# Altium PCB Lily58.PcbDoc
Units mm, origin at the board's own origin, x right, y up, seen from the top; angles counter-clockwise.
Board outline 142.05 x 105.56 mm, 2 copper layers (Top Layer, Bottom Layer), stack 1.57 mm thick; 61 components, 44 nets, 304 pads, 33 vias.
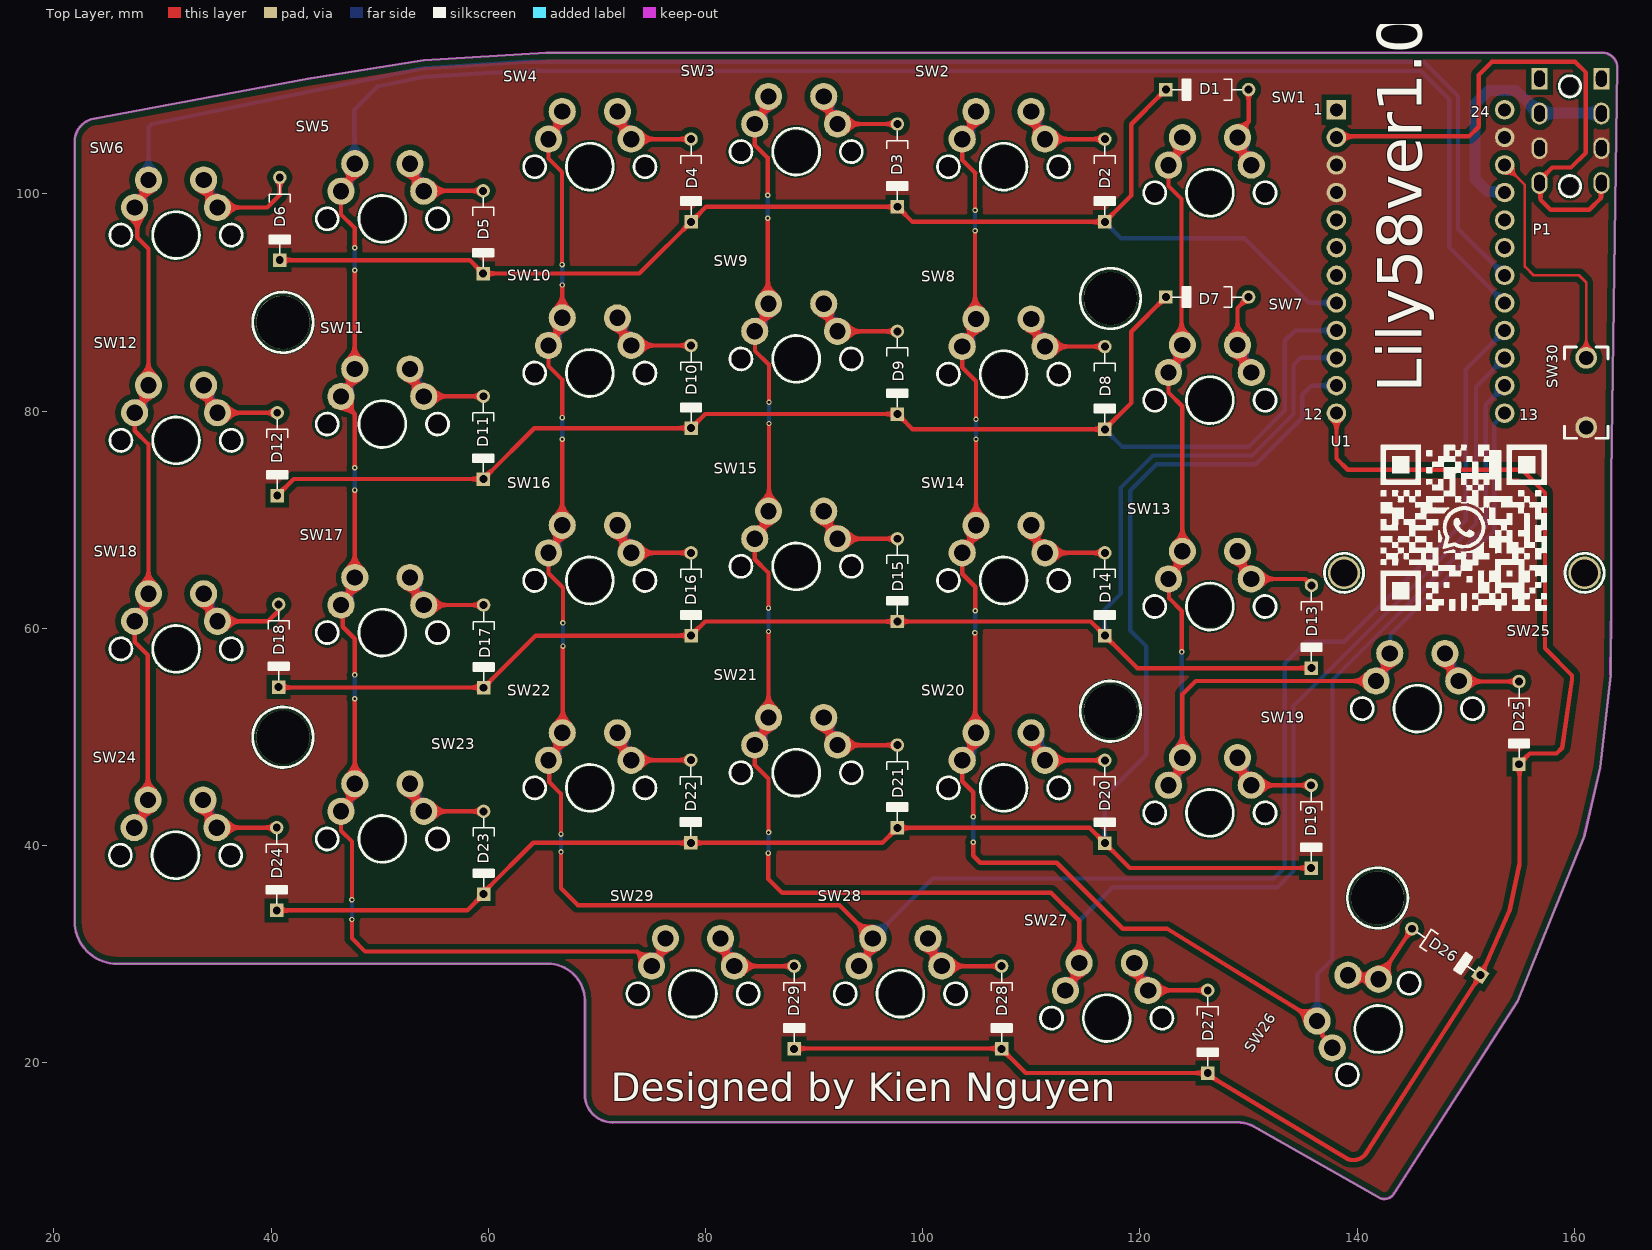
[diagram p0: Top Layer view]
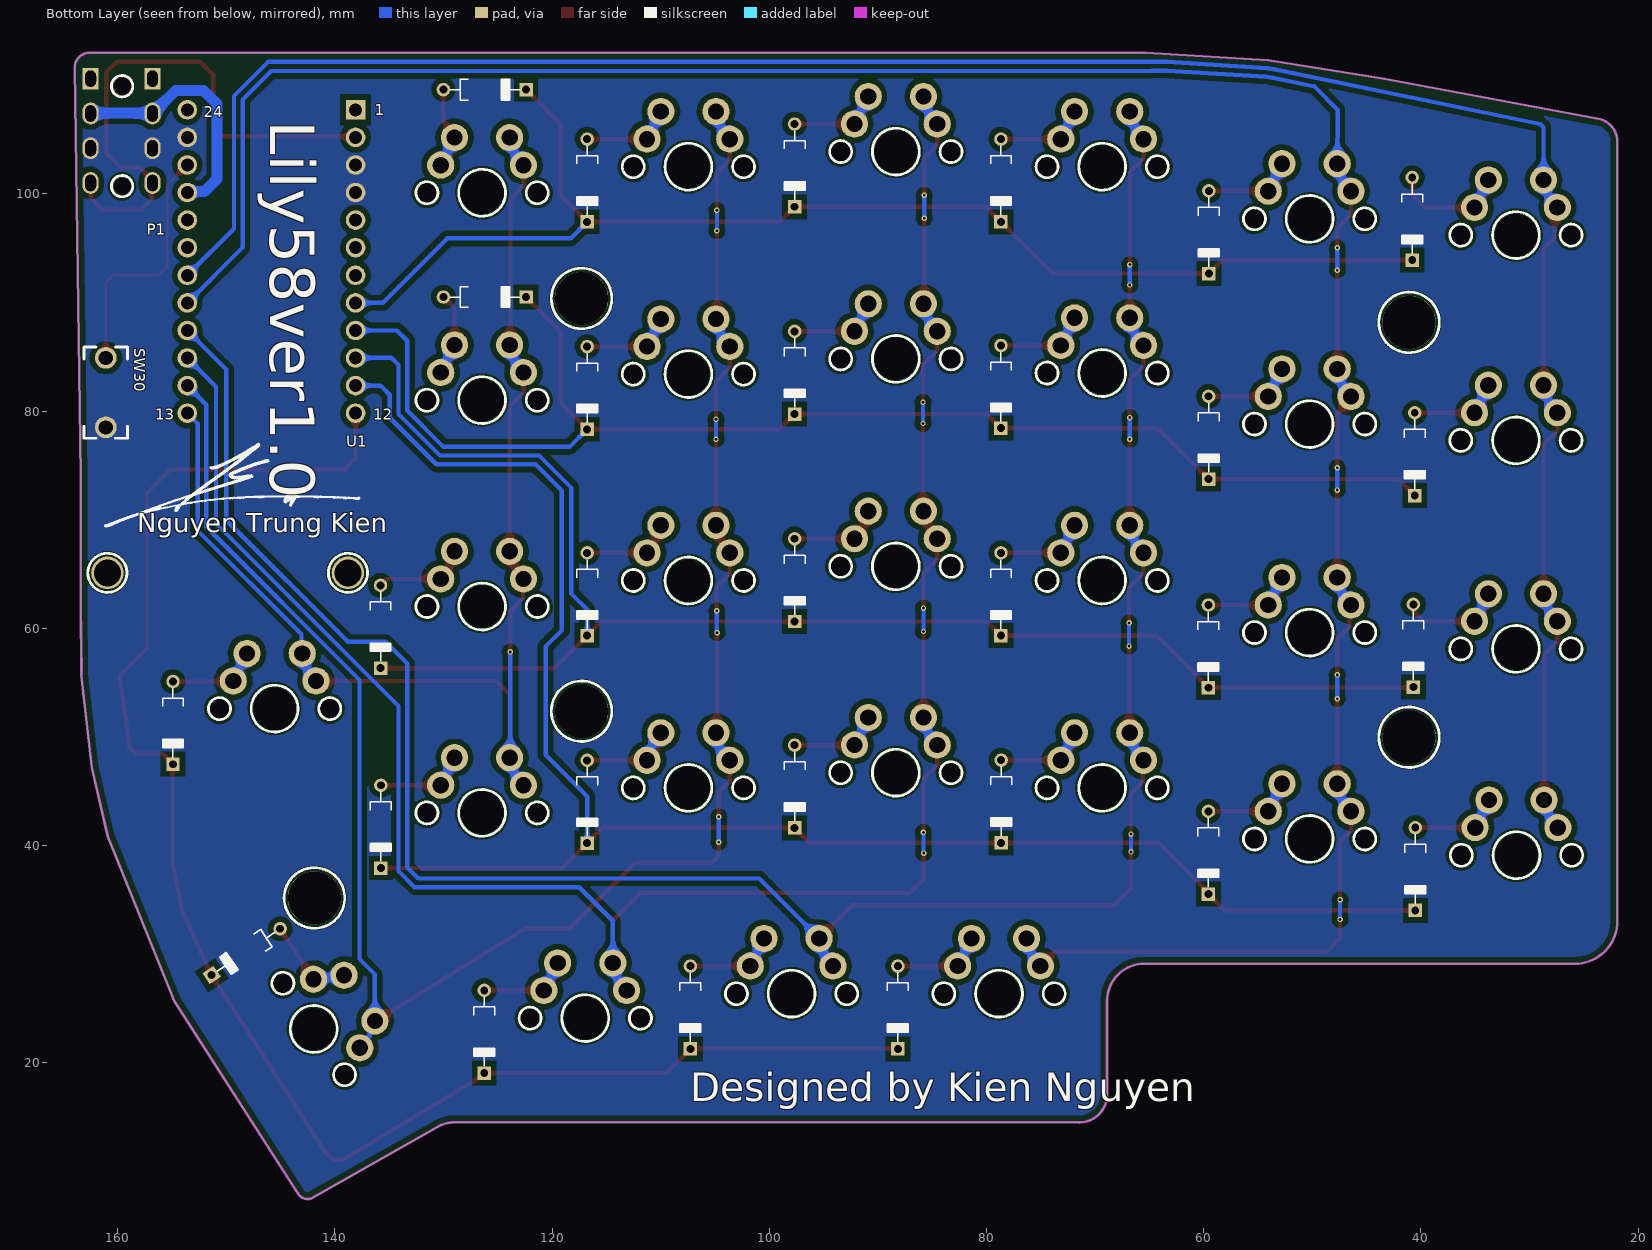
[diagram p1: Bottom Layer view, seen from below]
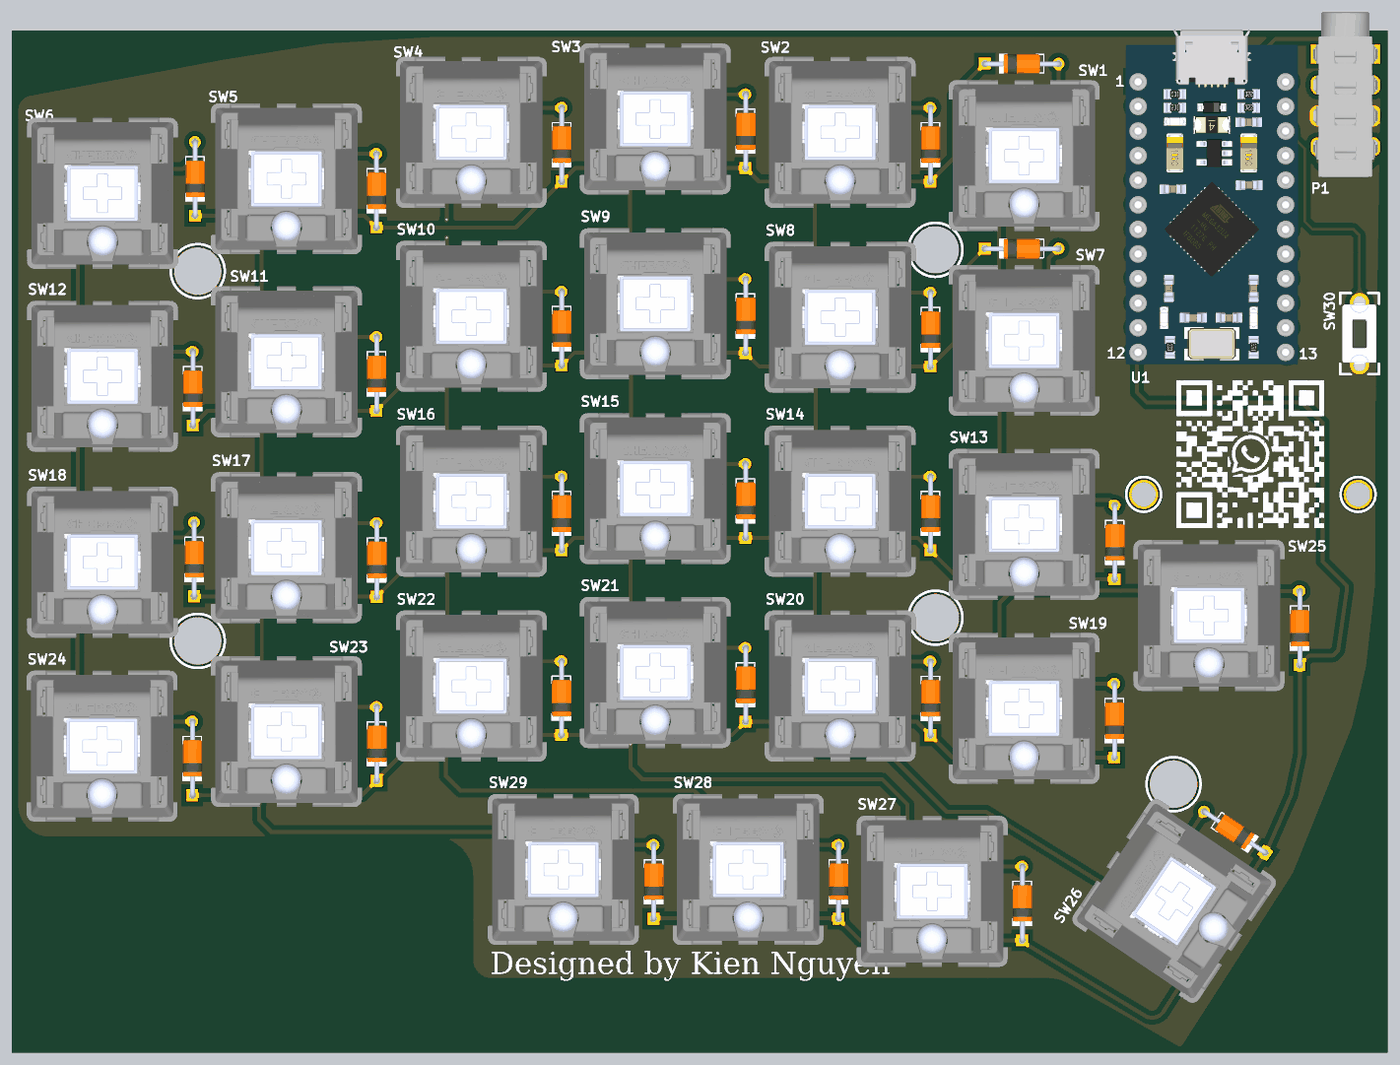
[diagram p2: 3D render of the assembled board from above, using the file's embedded part models]

## Layer stack, top to bottom
Top Solder: solder mask 0.0102, Solder Resist, Dk 3.5
Top Layer: signal copper 0.0356
Dielectric 2: core 0.254, Composite dielectric, Dk 4.3
Dielectric 1: core 0.9906, Composite dielectric, Dk 4.3
Dielectric 3: core 0.254, Composite dielectric, Dk 4.3
Bottom Layer: signal copper 0.0356
Bottom Solder: solder mask 0.0102, Solder Resist, Dk 3.5

## Board outline
25.835,29.101 cw(c25.835,33.021) 21.914,33.021 21.914,104.787 cw(c24.093,104.786) 23.931,106.958 39.45,109.85 43.4,110.6 54.05,112.3 65.35,113.001 162.574,112.999 cw(c162.574,111.607) 163.965,111.607 163.4,74.1 163.4,62.3 163.347,55.7 162.4,47.2 160.95,40.95 154.786,25.678 143.405,7.969 cw(c142.517,8.453) 141.898,7.652 130.771,13.968 ccw(c128.936,11.075) 128.936,14.501 71.446,14.5 cw(c71.446,17.049) 68.897,17.049 68.9,25.686 ccw(c65.474,25.686) 65.474,29.111

## Design rules (kind name [scope] priority, off if disabled: settings)
Clearance Clearance_poly [InPolygon vs (OnLayer('multi-layer') Or IsVia or IsPad or OnLayer('Top') or OnLayer('Bot'))] p1: gap=0.508 ignorepadtopadclearanceinfootprint=FALSE except(0: Arc-Hole Track-Hole SMDPad-Hole THPad-Hole Via-Hole Fill-Hole Poly-Hole Region-Hole Text-Hole)
Clearance [All] p2: gap=0.508 ignorepadtopadclearanceinfootprint=FALSE except(0: Arc-Hole Track-Hole SMDPad-Hole THPad-Hole Via-Hole Fill-Hole Poly-Hole Region-Hole Text-Hole; 0.127: Arc-SMDPad Arc-THPad Arc-Via Arc-Text Track-SMDPad Track-THPad Track-Via Track-Text SMDPad-SMDPad SMDPad-THPad SMDPad-Via SMDPad-Text THPad-THPad THPad-Via THPad-Text Via-Via Via-Text Fill-Text Poly-Text Region-Text Text-Text; 0.4: Arc-Arc Arc-Track Track-Track)
DiffPairsRouting [All] p1: maxlimit=0.254 minlimit=0.15 mostfreqgap=0.15 toplayer_minwidth=0.127 toplayer_maxwidth=0.15 toplayer_prefwidth=0.15 bottomlayer_minwidth=0.127 bottomlayer_maxwidth=0.15 bottomlayer_prefwidth=0.15 maxuncoupledlength=12.7
HoleSize [All] p1: absolutevalues=TRUE maxlimit=5 minlimit=0.025 maxpercent=80.000 minpercent=20.000
MinimumSolderMaskSliver [All] p1: minsoldermaskwidth=0.1
PolygonConnect [All] p1: connectstyle=Direct reliefconductorwidth=0.254 reliefentries=4 polygonreliefangle="90 Angle" airgapwidth=0.254
RoutingVias [All] p1: holewidth=0.711 width=1.27 viastyle="Through Hole" minholewidth=0.25 minwidth=0.5 maxholewidth=0.25 maxwidth=0.5
SilkToSolderMaskClearance [IsPad] p1: minsilkscreentomaskgap=0 clearancetoexposedcopper=TRUE
SolderMaskExpansion [All] p1: expansion=0.102 istentingtop=FALSE
Width [All] p1: maxlimit=2 minlimit=0.2 preferedwidth=0.5 minimp=50.000000 maximp=50.000000 favimp=50.000000
26 further rules are at their usual default settings.

## Components (designator, comment, footprint, x,y, rotation, side; value= is the part's Value field where it differs from the comment)
D1 "1N4148WSF-7" "DIOAD829W49L456D191 - duplicate" 126.2,109.6 r0 top
D2 "1N4148WSF-7" "DIOAD829W49L456D191 - duplicate" 116.77,101.23 r90 top
D3 "1N4148WSF-7" "DIOAD829W49L456D191 - duplicate" 97.67,102.62 r90 top
D4 "1N4148WSF-7" "DIOAD829W49L456D191 - duplicate" 78.67,101.23 r90 top
D5 "1N4148WSF-7" "DIOAD829W49L456D191 - duplicate" 59.53,96.47 r90 top
D6 "1N4148WSF-7" "DIOAD829W49L456D191 - duplicate" 40.8,97.7 r90 top
D7 "1N4148WSF-7" "DIOAD829W49L456D191 - duplicate" 126.2,90.5 r0 top
D8 "1N4148WSF-7" "DIOAD829W49L456D191 - duplicate" 116.77,82.13 r90 top
D9 "1N4148WSF-7" "DIOAD829W49L456D191 - duplicate" 97.67,83.53 r90 top
D10 "1N4148WSF-7" "DIOAD829W49L456D191 - duplicate" 78.67,82.23 r90 top
D11 "1N4148WSF-7" "DIOAD829W49L456D191 - duplicate" 59.55,77.55 r90 top
D12 "1N4148WSF-7" "DIOAD829W49L456D191 - duplicate" 40.57,76.03 r90 top
D13 "1N4148WSF-7" "DIOAD829W49L456D191 - duplicate" 135.8,60.14 r90 top
D14 "1N4148WSF-7" "DIOAD829W49L456D191 - duplicate" 116.77,63.13 r90 top
D15 "1N4148WSF-7" "DIOAD829W49L456D191 - duplicate" 97.67,64.43 r90 top
D16 "1N4148WSF-7" "DIOAD829W49L456D191 - duplicate" 78.67,63.13 r90 top
D17 "1N4148WSF-7" "DIOAD829W49L456D191 - duplicate" 59.57,58.33 r90 top
D18 "1N4148WSF-7" "DIOAD829W49L456D191 - duplicate" 40.7,58.39 r90 top
D19 "1N4148WSF-7" "DIOAD829W49L456D191 - duplicate" 135.77,41.73 r90 top
D20 "1N4148WSF-7" "DIOAD829W49L456D191 - duplicate" 116.77,44.03 r90 top
D21 "1N4148WSF-7" "DIOAD829W49L456D191 - duplicate" 97.67,45.43 r90 top
D22 "1N4148WSF-7" "DIOAD829W49L456D191 - duplicate" 78.65,44.05 r90 top
D23 "1N4148WSF-7" "DIOAD829W49L456D191 - duplicate" 59.57,39.33 r90 top
D24 "1N4148WSF-7" "DIOAD829W49L456D191 - duplicate" 40.52,37.83 r90 top
D25 "1N4148WSF-7" "DIOAD829W49L456D191 - duplicate" 154.91,51.29 r90 top
D26 "1N4148WSF-7" "DIOAD829W49L456D191 - duplicate" 148.2,30.2 r146 top
D27 "1N4148WSF-7" "DIOAD829W49L456D191 - duplicate" 126.25,22.85 r90 top
D28 "1N4148WSF-7" "DIOAD829W49L456D191 - duplicate" 107.27,25.08 r90 top
D29 "1N4148WSF-7" "DIOAD829W49L456D191 - duplicate" 88.17,25.08 r90 top
P1 "PJ-313B" "pj-313b6-x - duplicate" 163,106.4 r0 top
SW1 "" cherry_sw_double_side 126.45,100.1 r180 top
SW2 "" cherry_sw_double_side 107.45,102.5 r180 top
SW3 "" cherry_sw_double_side 88.35,103.89 r180 top
SW4 "" cherry_sw_double_side 69.35,102.5 r180 top
SW5 "" cherry_sw_double_side 50.25,97.7 r180 top
SW6 "" cherry_sw_double_side 31.25,96.2 r180 top
SW7 "" cherry_sw_double_side 126.45,81 r180 top
SW8 "" cherry_sw_double_side 107.45,83.4 r180 top
SW9 "" cherry_sw_double_side 88.35,84.8 r180 top
SW10 "" cherry_sw_double_side 69.35,83.5 r180 top
SW11 "" cherry_sw_double_side 50.25,78.8 r180 top
SW12 "" cherry_sw_double_side 31.25,77.3 r180 top
SW13 "" cherry_sw_double_side 126.45,62 r180 top
SW14 "" cherry_sw_double_side 107.45,64.4 r180 top
SW15 "" cherry_sw_double_side 88.35,65.7 r180 top
SW16 "" cherry_sw_double_side 69.35,64.4 r180 top
SW17 "" cherry_sw_double_side 50.25,59.6 r180 top
SW18 "" cherry_sw_double_side 31.25,58.1 r180 top
SW19 "" cherry_sw_double_side 126.45,43 r180 top
SW20 "" cherry_sw_double_side 107.45,45.3 r180 top
SW21 "" cherry_sw_double_side 88.35,46.7 r180 top
SW22 "" cherry_sw_double_side 69.35,45.3 r180 top
SW23 "" cherry_sw_double_side 50.25,40.6 r180 top
SW24 "" cherry_sw_double_side 31.2,39.1 r180 top
SW25 "" cherry_sw_double_side 145.55,52.6 r180 top
SW26 "" cherry_sw_double_side 141.95,23.1 r236 top
SW27 "" cherry_sw_double_side 116.95,24.1 r180 top
SW28 "" cherry_sw_double_side 97.95,26.35 r180 top
SW29 "" cherry_sw_double_side 78.85,26.35 r180 top
SW30 "" DTS-32 161.1,81.7 r270 top
U1 "Arduino_pro_micro" Arduino_pro_micro 145.847,95.802 r270 top

## Footprints (in the part's own frame and the unit in brackets; to place one, negate y for a bottom-side part, rotate by r counter-clockwise, add the part's x,y. Pads: shape width x height; smd on the part's side, far side on the other; paste and mask are expansions set on the pad)
Arduino_pro_micro [mm]
  rect 1.8x1.8 hole 1.2: 1(-11.938,-7.747)
  round 1.8 hole 1.2: 2(-9.398,-7.747) 3(-6.858,-7.747) 4(-4.318,-7.747) 5(-1.778,-7.747) 6(0.762,-7.747) 7(3.302,-7.747) 8(5.842,-7.747) 9(8.382,-7.747) 10(10.922,-7.747) 11(13.462,-7.747) 12(16.002,-7.747) 13(16.002,7.747) 14(13.462,7.747) 15(10.922,7.747) 16(8.382,7.747) 17(5.842,7.747) 18(3.302,7.747) 19(0.762,7.747) 20(-1.778,7.747) 21(-4.318,7.747) 22(-6.858,7.747) 23(-9.398,7.747) 24(-11.938,7.747)
  body extent -17.29,-8.89 17.3,8.89, height 9.25
cherry_sw_double_side [mm]
  round 0 hole 1.8 mask+0: 0(-5.08,0) 0(5.08,0)
  round 0 hole 3.9 mask+0: 0(0,0)
  round 2.5 hole 1.5 mask+0: 1(2.54,-5.08) 1(3.81,-2.54) 2(-3.81,-2.54) 2(-2.54,-5.08)
  silkscreen extent -6.1,-2.16 6.09,2.16, body extent -7.8,-7.8 7.8,7.8, height 15.2
"DIOAD829W49L456D191 - duplicate" [mm]
  rect 1.238x1.238 hole 0.73: 1(-3.81,0)
  round 1.238 hole 0.73: 2(3.81,0)
  silkscreen extent -3.2,-0.96 3.2,0.96, body extent -4.07,-1.04 4.07,0.98, height 2.21
DTS-32 [mm]
  round 2 hole 1.3 mask+0: 1(3.2,0) 2(-3.2,0)
  silkscreen extent -4.2,-2 4.2,2, body extent -3.88,-1.75 3.88,1.75, height 5
"pj-313b6-x - duplicate" [mm]
  rect 1.5x2 hole 1 slot 1.5 at 90 deg: 1(-6.2,4.2) 1(-0.5,4.2)
  oval 1.5x2 hole 1 slot 1.5 at 90 deg: 2(-6.2,1) 2(-0.5,1) 3(-6.2,-2.2) 3(-0.5,-2.2) 4(-6.2,-5.4) 4(-0.5,-5.4)
  round 1.6 hole 1.6 unplated: 5(-3.4,-5.7) 5(-3.4,3.5)
  silkscreen extent -4.38,-6.68 -2.41,4.48, body extent -6.73,-8.5 0,8.5, height 5

## Part data
D1 D2 D3 D4 D5 D6 D7 D8 D9 D10 D11 D12 D13 D14 D15 D16 D17 D18 D19 D20 D21 D22 D23 D24 D25 D26 D27 D28 D29: "No Description Available", Mfr_Name="Diodes Inc", Copyright="Copyright (C) 2021 Ultra Librarian. All rights reserved.", Digi-Key_Part_Number_1=1N4148WSF-7DI-ND, Digi-Key_Part_Number_2=1N4148WSF-7DICT-ND, Digi-Key_Part_Number_3=1N4148WSF-7DIDKR-ND, Digi-Key_Part_Number_4=1N4148WSF-7DITR-ND, Manufacturer_Part_Number=1N4148WSF-7, RefDes=RefDes, Type=DEV
SW1 SW2 SW3 SW4 SW5 SW6 SW7 SW8 SW9 SW10 SW11 SW12 SW13 SW14 SW15 SW16 SW17 SW18 SW19 SW20 SW21 SW22 SW23 SW24 SW25 SW26 SW27 SW28 SW29 SW30: library part SW

## Free pads (board coordinates)
  round 4.9 hole 4.9 unplated: 4(117.29,90.363)
  round 4.9 hole 4.9: 5(117.29,52.363) 6(41.09,49.963) 6(141.89,35.163) 7(41.09,88.163)
  round 3 hole 2.5: 5(138.8,65.1) 5(160.95,65.1)

## Via types
v1: diameter 0.5, hole 0.25, Top Layer to Bottom Layer, tented both sides, 33 vias

## Nets (pads, with @x,y where several pads share a name; then routed paths per layer and width w, separated by ;. In a path a pad name is that pad's centre, name@x,y a point inside that pad or via, vN(x,y) a via of type N, cw(c..) or ccw(c..) an arc to the next point about the centre after c; other vN are vias at no path point)
COL0: SW6.1 SW12.1 SW18.1 SW24.1 U1.18 | length 219.9
  Top Layer w0.4: SW24.1@27.37,41.66 27.37,41.56 27.33,41.52 27.33,41.836 SW24.1@28.487,42.993 ; SW6.1@27.38,98.62 27.38,98.936 28.537,100.093 28.537,101.147 SW6.1@28.69,101.3 ; SW6.1@27.44,98.74 27.69,98.49 27.69,95.963 28.71,94.943 SW12.1@28.71,82.38 ; SW18.1@28.537,63.047 28.537,61.993 27.38,60.836 27.38,60.64 27.44,60.64 27.44,58.73 28.66,57.51 SW24.1@28.66,44.18 ; SW12.1@28.69,82.4 28.537,82.247 28.537,81.193 27.38,80.036 27.38,79.878 27.418,79.84 27.44,79.84 27.45,79.83 27.45,78.19 28.71,76.93 SW18.1@28.71,63.18
  Bottom Layer w0.4: SW24.1@27.563,41.773 27.503,41.773 27.503,41.97 28.66,43.126 SW24.1@28.66,44.18 ; SW18.1@27.613,60.773 27.553,60.773 27.553,60.97 28.71,62.126 SW18.1@28.71,63.18 ; SW12.1@27.613,79.973 27.553,79.973 27.553,80.17 28.71,81.326 SW12.1@28.71,82.38 ; SW6.1@27.613,98.873 27.553,98.873 27.553,99.07 28.71,100.226 28.71,101.28 28.71,106.035 28.71,106.127 28.944,106.361 29.029,106.427 53.525,111.48 53.534,111.481 54.13,111.577 63.38,112.15 146.15,112.15 149.3,109 149.3,96.794 U1.18
COL1: SW5.1 SW11.1 SW17.1 SW23.1 SW29.1 U1.17 | length 250.7
  Top Layer w0.4: SW23.1@46.38,43.336 47.537,44.493 47.537,45.547 SW23.1@47.69,45.7 ; SW11.1@46.38,81.536 47.537,82.693 SW11.1@47.537,83.747 ; SW5.1@46.38,100.436 47.537,101.593 47.537,102.647 SW5.1@47.69,102.8 ; SW17.1@46.42,62.16 46.42,62.06 46.38,62.02 46.38,62.336 47.537,63.493 47.537,64.547 SW17.1@47.69,64.7 ; SW5.1@46.42,100.26 SW5.1@46.42,100.24 ; SW23.1@46.44,43.14 46.44,41.36 47.446,40.354 v1(47.446,34.989) ; SW17.1@46.44,62.14 46.61,61.97 46.61,60.14 47.71,59.04 v1(47.71,55.7) ; SW11.1@46.44,81.34 46.44,80.986 47.697,79.73 ; SW5.1@46.44,100.24 SW5.1@46.42,100.24 ; 47.446,31.451 v1(47.446,33.182) ; 47.449,31.451 48.659,30.241 73.689,30.241 SW29.1@75.04,28.89 ; v1@47.697,95.037 47.697,96.853 46.44,98.11 46.44,100.218 46.42,100.238 SW5.1@46.42,100.24 ; v1@47.702,92.963 47.697,92.958 47.696,83.894 SW11.1@47.71,83.88 ; SW17.1@47.703,64.681 v1(47.703,72.725) ; v1(47.703,74.787) 47.703,79.73 ; SW23.1@47.71,45.68 v1(47.71,53.5) ; SW29.1@74.98,28.95 74.98,29.086 76.137,30.243 76.137,31.297 SW29.1@76.29,31.45
  Bottom Layer w0.4: SW17.1@46.35,61.7 46.44,61.79 SW17.1@46.44,62.14 ; SW23.1@46.613,43.273 46.553,43.273 46.553,43.47 47.71,44.626 SW23.1@47.71,45.68 ; SW17.1@46.613,62.273 46.553,62.273 46.553,62.47 47.71,63.626 SW17.1@47.71,64.68 ; SW11.1@46.613,81.473 46.553,81.473 46.553,81.67 47.71,82.826 SW11.1@47.71,83.88 ; SW5.1@46.613,100.373 46.553,100.373 46.553,100.57 47.71,101.726 47.71,102.78 47.661,107.55 47.661,107.552 47.661,107.717 49.706,109.806 49.708,109.807 49.794,109.893 53.669,110.692 53.678,110.694 54.218,110.78 63.405,111.35 64.782,111.35 145.884,111.284 148.5,108.669 148.5,95.054 U1.17 ; v1@47.444,33.185 v1@47.447,33.182 ; v1@47.444,34.989 v1@47.447,34.986 ; v1@47.446,33.185 v1@47.446,34.986 ; v1@47.697,74.787 47.703,74.781 47.703,72.731 v1@47.709,72.725 ; v1@47.699,95.035 47.699,92.965 v1(47.699,92.963) ; v1@47.698,95.037 v1@47.7,95.035 ; v1(47.71,53.5) v1(47.71,55.7) ; SW29.1@75.213,29.023 75.153,29.023 75.153,29.22 76.31,30.376 SW29.1@76.31,31.43
  other v1: 47.699,95.037
COL2: SW4.1 SW10.1 SW16.1 SW22.1 SW28.1 U1.16 | length 226
  Top Layer w0.4: SW22.1@65.52,47.86 65.52,47.76 65.48,47.72 65.48,48.036 66.637,49.193 66.637,50.247 SW22.1@66.79,50.4 ; SW16.1@65.52,66.96 65.52,66.86 65.48,66.82 65.48,67.136 66.637,68.293 66.637,69.347 SW16.1@66.79,69.5 ; SW10.1@65.52,86.06 65.52,85.96 65.48,85.92 65.48,86.236 66.637,87.393 66.637,88.447 SW10.1@66.79,88.6 ; SW4.1@65.52,105.06 65.52,104.96 65.48,104.92 65.48,105.236 66.637,106.393 66.637,107.447 SW4.1@66.79,107.6 ; SW22.1@65.54,47.84 65.61,47.77 65.61,45.84 66.7,44.75 v1(66.7,41.05) ; SW16.1@65.54,66.94 65.54,65.06 66.876,63.724 v1(66.876,60.492) ; SW10.1@65.54,86.04 65.54,84.16 66.8,82.9 v1(66.8,79.4) ; SW4.1@65.54,105.04 65.54,103.259 66.795,102.004 v1(66.795,93.489) ; v1(66.7,39.4) 66.7,36.05 68.25,34.5 92.34,34.5 SW28.1@95.41,31.43 ; v1(66.8,77.4) 66.805,77.395 66.805,69.485 SW16.1@66.81,69.48 ; SW22.1@66.81,50.38 66.864,50.434 66.864,58.34 v1(66.884,58.359) ; SW10.1@66.81,88.58 v1(66.81,91.606) ; SW28.1@94.12,28.91 94.12,28.81 94.08,28.77 94.08,29.086 95.237,30.243 SW28.1@95.237,31.297
  Bottom Layer w0.4: SW22.1@65.713,47.973 65.653,47.973 65.653,48.17 66.81,49.326 SW22.1@66.81,50.38 ; SW16.1@65.713,67.073 65.653,67.073 65.653,67.27 66.81,68.426 SW16.1@66.81,69.48 ; SW10.1@65.713,86.173 65.653,86.173 65.653,86.37 66.81,87.526 SW10.1@66.81,88.58 ; SW4.1@65.713,105.173 65.653,105.173 65.653,105.37 66.81,106.526 SW4.1@66.81,107.58 ; v1(66.7,39.4) v1(66.7,41.05) ; v1(66.795,93.489) 66.802,93.482 66.802,91.613 v1(66.81,91.606) ; v1(66.8,77.4) v1(66.8,79.4) ; v1(66.876,60.492) 66.88,60.488 66.88,58.363 v1(66.884,58.359) ; SW28.1@94.313,29.023 94.253,29.023 94.253,29.22 95.41,30.376 95.41,31.43 100.93,36.95 132.334,36.95 133.35,37.966 133.35,56.75 135.35,58.75 138.8,58.75 150,69.95 150,83.826 U1.16
COL3: SW3.1 SW9.1 SW15.1 SW21.1 SW27.1 U1.15 | length 207.3
  Top Layer w0.4: SW21.1@84.52,49.26 84.52,49.16 84.48,49.12 84.48,49.436 85.637,50.593 85.637,51.647 SW21.1@85.79,51.8 ; SW15.1@84.52,68.26 84.52,68.16 84.48,68.12 84.48,68.436 85.637,69.593 85.637,70.647 SW15.1@85.79,70.8 ; SW9.1@84.52,87.36 84.52,87.26 84.48,87.22 84.48,87.536 85.637,88.693 SW9.1@85.637,89.747 ; SW3.1@84.52,106.45 84.52,106.35 84.48,106.31 84.48,106.626 85.637,107.783 85.637,108.837 SW3.1@85.79,108.99 ; SW21.1@84.54,49.19 84.54,47.41 85.8,46.15 85.8,41.211 v1(85.811,41.201) ; SW15.1@84.54,68.14 84.54,66.36 85.8,65.1 ; SW3.1@84.54,106.43 84.54,104.51 85.738,103.312 ; SW9.1@84.56,87.32 84.56,85.54 85.82,84.28 ; v1@85.736,97.757 v1@85.755,97.738 ; SW9.1@85.745,89.918 v1@85.745,97.738 ; v1(85.745,99.873) 85.745,103.312 ; SW9.1@85.772,89.918 SW9.1@85.81,89.88 ; v1(85.79,39.301) 85.79,36.916 87.056,35.65 111.826,35.65 114.41,33.066 114.41,29.18 114.257,29.027 114.257,27.973 113.1,26.816 113.1,26.5 113.14,26.54 SW27.1@113.14,26.64 ; v1@85.8,61.872 v1@85.812,61.86 ; v1@85.804,59.7 v1@85.809,59.695 ; SW21.1@85.805,51.785 SW21.1@85.81,51.78 ; SW21.1@85.806,51.785 v1@85.806,59.695 ; v1@85.806,61.872 85.806,65.1 ; SW15.1@85.81,70.78 SW15.1@85.831,70.801 ; v1@85.835,80.83 v1@85.865,80.8 ; v1@85.84,78.831 v1@85.86,78.85 ; SW15.1@85.85,70.801 v1@85.85,78.831 ; v1@85.85,80.83 85.85,84.28
  Bottom Layer w0.4: SW21.1@84.713,49.373 84.653,49.373 84.653,49.57 85.81,50.726 SW21.1@85.81,51.78 ; SW9.1@84.713,87.473 84.653,87.473 84.653,87.67 85.81,88.826 SW9.1@85.81,89.88 ; SW3.1@84.713,106.563 84.653,106.563 84.653,106.76 85.81,107.916 SW3.1@85.81,108.97 ; v1@85.741,97.765 v1@85.749,97.757 ; v1@85.741,99.873 v1@85.749,99.866 ; v1@85.745,97.765 v1@85.745,99.866 ; v1(85.79,39.301) 85.801,39.311 85.801,41.191 v1(85.811,41.201) ; v1@85.803,59.7 v1@85.809,59.706 ; v1@85.803,61.854 v1@85.809,61.86 ; v1@85.806,59.706 v1@85.806,61.854 ; v1(85.85,78.85) v1(85.85,80.8) ; SW27.1@113.313,26.773 113.253,26.773 113.253,26.97 114.41,28.126 114.41,29.18 114.41,33.06 117.5,36.15 132.666,36.15 134.15,37.634 134.15,52.85 150.95,69.65 150.95,82.236 U1.15
  other v1: 85.806,59.7 85.806,61.86 85.745,97.757
COL4: SW2.1 SW8.1 SW14.1 SW20.1 SW26.1 U1.14 | length 191.2
  Top Layer w0.254: SW26.1@136.318,23.883 136.318,23.871 136.318,23.835 136.318,23.682 SW26.1@136.8,23.2
  Top Layer w0.4: SW20.1@103.62,47.86 103.62,47.76 103.58,47.72 103.58,48.036 104.737,49.193 104.737,50.247 SW20.1@104.89,50.4 ; SW14.1@103.62,66.96 103.62,66.86 103.58,66.82 103.58,67.136 104.737,68.293 104.737,69.347 SW14.1@104.89,69.5 ; SW8.1@103.62,85.96 103.62,85.86 103.58,85.82 103.58,86.136 104.737,87.293 SW8.1@104.737,88.347 ; SW2.1@103.62,105.06 103.62,104.96 103.58,104.92 103.58,105.236 104.737,106.393 104.737,107.447 SW2.1@104.89,107.6 ; SW20.1@103.64,47.84 103.64,45.91 104.65,44.9 v1(104.65,42.65) ; SW14.1@103.64,66.94 103.64,65.02 104.838,63.822 ; SW8.1@103.64,85.94 103.64,84.02 104.794,82.866 104.91,82.75 v1(104.91,79.25) ; SW2.1@103.64,105.04 103.64,103.12 104.838,101.922 ; v1(104.65,40.3) 104.65,39.05 105.3,38.4 112.35,38.4 118.425,32.325 122.502,32.325 136.183,23.883 136.27,23.869 cw(c136.312,23.471) SW26.1@136.318,23.871 ; v1(104.811,59.597) 104.83,59.577 104.83,50.391 SW20.1@104.841,50.38 ; v1@104.818,98.482 v1@104.831,98.495 ; SW8.1@104.825,88.546 v1@104.825,96.571 ; v1(104.825,96.59) v1@104.844,96.571 ; v1@104.825,98.495 104.825,101.922 ; v1@104.839,61.614 v1@104.843,61.611 ; v1@104.841,61.614 104.841,63.822 ; SW8.1@104.844,88.546 SW8.1@104.91,88.48 ; SW14.1@104.91,69.48 v1@104.91,77.263 ; v1@104.91,77.373 v1(104.91,77.4) ; SW26.1@136.8,23.2 136.8,22.492 137.714,21.578 SW26.1@137.714,21.362
  Bottom Layer w0.254: SW26.1@136.318,23.883 136.318,23.871 136.318,23.835 136.318,23.682 SW26.1@136.8,23.2
  Bottom Layer w0.4: SW8.1@103.813,86.073 103.753,86.073 103.753,86.27 104.91,87.426 SW8.1@104.91,88.48 ; SW2.1@103.813,105.173 103.753,105.173 103.753,105.37 104.91,106.526 SW2.1@104.91,107.58 ; SW20.1@104.053,48.043 103.993,48.043 103.993,48.24 105.15,49.396 SW20.1@105.15,50.45 ; v1(104.65,40.3) v1(104.65,42.65) ; v1(104.811,59.597) 104.826,59.612 104.826,61.595 v1(104.841,61.611) ; v1(104.825,96.59) v1(104.825,98.482) ; v1(104.91,77.4) v1(104.91,79.25) ; SW26.1@136.183,23.883 136.27,23.869 cw(c136.312,23.471) SW26.1@136.318,23.871 ; SW26.1@136.318,23.835 136.318,28.118 137.739,29.539 137.739,55.232 151.843,69.336 151.843,80.589 U1.14 ; SW26.1@136.8,23.2 136.8,22.492 137.714,21.578 SW26.1@137.714,21.362
COL5: SW1.1 SW7.1 SW13.1 SW19.1 SW25.1 U1.13 | length 130.6
  Top Layer w0.4: SW19.1@122.62,45.56 122.62,45.46 122.58,45.42 122.58,45.736 123.737,46.893 SW19.1@123.737,47.947 ; SW13.1@122.62,64.56 122.62,64.46 122.58,64.42 122.58,64.736 123.737,65.893 SW13.1@123.737,66.947 ; SW7.1@122.62,83.56 122.62,83.46 122.58,83.42 122.58,83.736 123.737,84.893 SW7.1@123.737,85.947 ; SW1.1@122.62,102.66 122.62,102.56 122.58,102.52 122.58,102.836 123.737,103.993 123.737,105.047 SW1.1@123.89,105.2 ; SW13.1@122.64,64.54 SW13.1@122.64,64.51 ; SW7.1@122.64,83.54 122.64,81.71 123.91,80.44 SW13.1@123.91,67.08 ; SW1.1@122.64,102.64 122.64,100.72 123.838,99.522 123.838,86.152 SW7.1@123.91,86.08 ; SW13.1@123.35,63.8 SW13.1@122.64,64.51 ; v1(123.855,57.818) 123.855,61.595 122.676,62.774 122.676,64.474 SW13.1@122.64,64.51 ; SW19.1@123.91,48.08 123.91,53.91 125.14,55.14 141.21,55.14 141.3,55.05 141.65,55.05 SW25.1@141.72,55.12 ; SW25.1@141.68,55.14 141.68,55.336 142.837,56.493 142.837,57.547 SW25.1@142.99,57.7 ; SW25.1@141.72,55.16 SW25.1@141.72,55.12 ; SW25.1@141.74,55.14 SW25.1@141.72,55.12
  Bottom Layer w0.4: SW19.1@122.813,45.673 122.753,45.673 122.753,45.87 123.91,47.026 123.91,48.08 SW19.1@123.9,48.09 ; SW7.1@122.813,83.673 122.753,83.673 122.753,83.87 123.91,85.026 SW7.1@123.91,86.08 ; SW1.1@122.813,102.773 122.753,102.773 122.753,102.97 123.91,104.126 SW1.1@123.91,105.18 ; v1@123.845,57.818 v1@123.864,57.799 ; SW19.1@123.855,48.09 v1@123.855,57.673 ; v1@123.855,57.699 v1@123.855,57.799 ; SW25.1@141.913,55.273 141.853,55.273 141.853,55.47 143.01,56.626 143.01,57.68 143.084,57.754 143.084,59.446 152.643,69.005 152.643,78.849 U1.13
GND: P1.3 SW30.1 U1.3 U1.4 U1.23
NetD1_2: D1.2 SW1.2 | length 11.3
  Top Layer w0.4: SW1.2@128.99,105.18 SW1.2@129.04,105.23 ; D1.2 130.01,106.666 129.04,105.696 SW1.2@129.04,105.23 ; SW1.2@130.22,102.78 130.22,102.68 130.26,102.64 130.26,102.956 129.103,104.113 129.103,105.167 SW1.2@129.04,105.23
  Bottom Layer w0.4: SW1.2@129.123,105.453 129.276,105.3 129.276,104.246 130.433,103.09 SW1.2@130.433,102.773
NetD2_2: D2.2 SW2.2 | length 12.1
  Top Layer w0.4: SW2.2@109.95,107.72 110.103,107.567 110.103,106.513 111.26,105.356 SW2.2@111.26,105.04 ; SW2.2@111.22,105.18 111.22,105.08 SW2.2@111.26,105.04 ; D2.2 SW2.2@111.26,105.04
  Bottom Layer w0.4: SW2.2@110.123,107.853 110.276,107.7 110.276,106.646 111.433,105.49 SW2.2@111.433,105.173
NetD3_2: D3.2 SW3.2 | length 12.1
  Top Layer w0.4: SW3.2@90.85,109.11 91.003,108.957 91.003,107.903 92.16,106.746 SW3.2@92.16,106.43 ; SW3.2@92.12,106.57 92.12,106.47 SW3.2@92.16,106.43 ; D3.2 SW3.2@92.16,106.43
  Bottom Layer w0.4: SW3.2@91.023,109.243 91.176,109.09 91.176,108.036 92.333,106.88 SW3.2@92.333,106.563
NetD4_2: D4.2 SW4.2 | length 12.1
  Top Layer w0.4: SW4.2@71.85,107.72 72.003,107.567 72.003,106.513 73.16,105.356 SW4.2@73.16,105.04 ; SW4.2@73.12,105.18 73.12,105.08 SW4.2@73.16,105.04 ; D4.2 SW4.2@73.16,105.04
  Bottom Layer w0.4: SW4.2@72.023,107.853 72.176,107.7 72.176,106.646 73.333,105.49 SW4.2@73.333,105.173
NetD5_2: D5.2 SW5.2 | length 12.1
  Top Layer w0.4: SW5.2@52.75,102.92 52.903,102.767 52.903,101.713 54.06,100.556 54.06,100.24 SW5.2@54.02,100.28 ; SW5.2@54.02,100.38 SW5.2@54.02,100.28 ; D5.2 SW5.2@54.02,100.28
  Bottom Layer w0.4: SW5.2@52.923,103.053 53.076,102.9 53.076,101.846 54.233,100.69 SW5.2@54.233,100.373
NetD6_2: D6.2 SW6.2 | length 14.3
  Top Layer w0.4: SW6.2@33.75,101.42 33.903,101.267 33.903,100.213 35.06,99.056 35.06,98.74 39.64,98.74 40.8,99.9 D6.2
  Bottom Layer w0.4: SW6.2@33.923,101.553 34.076,101.4 34.076,100.346 35.233,99.19 SW6.2@35.233,98.873
NetD7_2: D7.2 SW7.2 | length 11.3
  Top Layer w0.4: SW7.2@128.99,86.08 128.99,89.48 D7.2 ; SW7.2@129.04,86.13 129.103,86.067 129.103,85.013 130.26,83.856 130.26,83.54 130.22,83.58 SW7.2@130.22,83.68
  Bottom Layer w0.4: SW7.2@129.123,86.353 129.276,86.2 129.276,85.146 130.433,83.99 SW7.2@130.433,83.673
NetD8_2: D8.2 SW8.2 | length 12.1
  Top Layer w0.4: SW8.2@109.95,88.62 110.103,88.467 110.103,87.413 111.26,86.256 SW8.2@111.26,85.94 ; SW8.2@111.22,86.08 111.22,85.98 SW8.2@111.26,85.94 ; D8.2 SW8.2@111.26,85.94
  Bottom Layer w0.4: SW8.2@110.123,88.753 110.276,88.6 110.276,87.546 111.433,86.39 SW8.2@111.433,86.073
NetD9_2: D9.2 SW9.2 | length 12.1
  Top Layer w0.4: SW9.2@90.85,90.02 91.003,89.867 91.003,88.813 92.16,87.656 SW9.2@92.16,87.34 ; SW9.2@92.12,87.48 92.12,87.38 SW9.2@92.16,87.34 ; D9.2 SW9.2@92.16,87.34
  Bottom Layer w0.4: SW9.2@91.023,90.153 91.176,90 91.176,88.946 92.333,87.79 SW9.2@92.333,87.473
NetD10_2: D10.2 SW10.2 | length 12.1
  Top Layer w0.4: SW10.2@71.85,88.72 72.003,88.567 72.003,87.513 73.16,86.356 SW10.2@73.16,86.04 ; SW10.2@73.12,86.18 73.12,86.08 SW10.2@73.16,86.04 ; D10.2 SW10.2@73.16,86.04
  Bottom Layer w0.4: SW10.2@72.023,88.853 72.176,88.7 72.176,87.646 73.333,86.49 SW10.2@73.333,86.173
NetD11_2: D11.2 SW11.2 | length 12.1
  Top Layer w0.4: SW11.2@52.75,84.02 52.903,83.867 52.903,82.813 54.06,81.656 54.06,81.34 54.02,81.38 SW11.2@54.02,81.48 ; SW11.2@54.04,81.36 D11.2
  Bottom Layer w0.4: SW11.2@52.923,84.153 53.076,84 53.076,82.946 54.233,81.79 SW11.2@54.233,81.473
NetD12_2: D12.2 SW12.2 | length 12.1
  Top Layer w0.4: SW12.2@33.75,82.52 33.903,82.367 33.903,81.313 35.06,80.156 SW12.2@35.06,79.84 ; SW12.2@35.02,79.98 35.02,79.88 SW12.2@35.06,79.84 ; D12.2 SW12.2@35.06,79.84
  Bottom Layer w0.4: SW12.2@33.923,82.653 34.076,82.5 34.076,81.446 35.233,80.29 SW12.2@35.233,79.973
NetD13_2: D13.2 SW13.2 | length 9.2
  Top Layer w0.4: SW13.2@128.95,67.22 129.103,67.067 129.103,66.013 130.26,64.856 SW13.2@130.26,64.54 ; SW13.2@130.22,64.68 130.22,64.58 SW13.2@130.26,64.54 ; D13.2 135.21,64.54 SW13.2@130.26,64.54
NetD14_2: D14.2 SW14.2 | length 8.9
  Top Layer w0.4: SW14.2@109.95,69.62 110.103,69.467 110.103,68.413 111.26,67.256 SW14.2@111.26,66.94 ; SW14.2@111.22,67.08 111.22,66.98 SW14.2@111.26,66.94 ; D14.2 SW14.2@111.26,66.94
NetD15_2: D15.2 SW15.2 | length 8.9
  Top Layer w0.4: SW15.2@90.85,70.92 91.003,70.767 91.003,69.713 92.16,68.556 SW15.2@92.16,68.24 ; SW15.2@92.12,68.38 92.12,68.28 SW15.2@92.16,68.24 ; D15.2 SW15.2@92.16,68.24
NetD16_2: D16.2 SW16.2 | length 12.1
  Top Layer w0.4: SW16.2@71.85,69.62 72.003,69.467 72.003,68.413 73.16,67.256 SW16.2@73.16,66.94 ; SW16.2@73.12,67.08 73.12,66.98 SW16.2@73.16,66.94 ; D16.2 SW16.2@73.16,66.94
  Bottom Layer w0.4: SW16.2@72.023,69.753 72.176,69.6 72.176,68.546 73.333,67.39 SW16.2@73.333,67.073
NetD17_2: D17.2 SW17.2 | length 12.1
  Top Layer w0.4: SW17.2@52.75,64.82 52.903,64.667 52.903,63.613 54.06,62.456 SW17.2@54.06,62.14 ; SW17.2@54.02,62.28 54.02,62.18 SW17.2@54.06,62.14 ; D17.2 SW17.2@54.06,62.14
  Bottom Layer w0.4: SW17.2@52.923,64.953 53.076,64.8 53.076,63.746 54.233,62.59 SW17.2@54.233,62.273
NetD18_2: D18.2 SW18.2 | length 13.1
  Top Layer w0.4: SW18.2@33.75,63.32 33.903,63.167 33.903,62.113 35.06,60.956 35.06,60.64 39.73,60.64 40.654,61.564 40.654,62.154 D18.2
  Bottom Layer w0.4: SW18.2@33.923,63.453 34.076,63.3 34.076,62.246 35.233,61.09 SW18.2@35.233,60.773
NetD19_2: D19.2 SW19.2 | length 12.1
  Top Layer w0.4: SW19.2@128.95,48.22 129.103,48.067 129.103,47.013 130.26,45.856 SW19.2@130.26,45.54 ; SW19.2@130.22,45.68 130.22,45.58 SW19.2@130.26,45.54 ; D19.2 SW19.2@130.26,45.54
  Bottom Layer w0.4: SW19.2@129.123,48.353 129.276,48.2 129.276,47.146 130.433,45.99 SW19.2@130.433,45.673
NetD20_2: D20.2 SW20.2 | length 12.1
  Top Layer w0.4: SW20.2@109.95,50.52 110.103,50.367 110.103,49.313 111.26,48.156 SW20.2@111.26,47.84 ; SW20.2@111.22,47.98 111.22,47.88 SW20.2@111.26,47.84 ; D20.2 SW20.2@111.26,47.84
  Bottom Layer w0.4: SW20.2@110.363,50.723 110.516,50.57 110.516,49.516 111.673,48.36 SW20.2@111.673,48.043
NetD21_2: D21.2 SW21.2 | length 12.1
  Top Layer w0.4: SW21.2@90.85,51.92 91.003,51.767 91.003,50.713 92.16,49.556 SW21.2@92.16,49.24 ; SW21.2@92.12,49.38 92.12,49.28 SW21.2@92.16,49.24 ; D21.2 SW21.2@92.16,49.24
  Bottom Layer w0.4: SW21.2@91.023,52.053 91.176,51.9 91.176,50.846 92.333,49.69 SW21.2@92.333,49.373
NetD22_2: D22.2 SW22.2 | length 12.1
  Top Layer w0.4: SW22.2@71.85,50.52 72.003,50.367 72.003,49.313 73.16,48.156 73.16,47.84 73.12,47.88 SW22.2@73.12,47.98 ; SW22.2@73.14,47.86 D22.2
  Bottom Layer w0.4: SW22.2@72.023,50.653 72.176,50.5 72.176,49.446 73.333,48.29 SW22.2@73.333,47.973
NetD23_2: D23.2 SW23.2 | length 12.1
  Top Layer w0.4: SW23.2@52.75,45.82 52.903,45.667 52.903,44.613 54.06,43.456 SW23.2@54.06,43.14 ; SW23.2@54.02,43.28 54.02,43.18 SW23.2@54.06,43.14 ; D23.2 SW23.2@54.06,43.14
  Bottom Layer w0.4: SW23.2@52.923,45.953 53.076,45.8 53.076,44.746 54.233,43.59 SW23.2@54.233,43.273
NetD24_2: D24.2 SW24.2 | length 12.1
  Top Layer w0.4: SW24.2@33.7,44.32 33.853,44.167 33.853,43.113 35.01,41.956 SW24.2@35.01,41.64 ; SW24.2@34.97,41.78 34.97,41.68 SW24.2@35.01,41.64 ; D24.2 SW24.2@35.01,41.64
  Bottom Layer w0.4: SW24.2@33.873,44.453 34.026,44.3 34.026,43.246 35.183,42.09 SW24.2@35.183,41.773
NetD25_2: D25.2 SW25.2 | length 12
  Top Layer w0.4: SW25.2@148.05,57.82 148.203,57.667 148.203,56.613 149.36,55.456 149.36,55.14 149.4,55.1 D25.2
  Bottom Layer w0.4: SW25.2@148.223,57.953 148.376,57.8 148.376,56.746 149.533,55.59 SW25.2@149.533,55.273
NetD26_2: D26.2 SW26.2 | length 12.9
  Top Layer w0.4: SW26.2@139.159,28.046 139.554,28.046 139.768,27.832 141.822,27.832 SW26.2@141.975,27.679 ; D26.2 SW26.2@141.975,27.679 ; SW26.2@141.975,27.679 142.1,28 141.975,27.875 SW26.2@141.975,27.679
  Bottom Layer w0.4: SW26.2@139.159,28.046 139.554,28.046 139.768,27.832 141.822,27.832 SW26.2@141.975,27.679 ; SW26.2@141.975,27.679 142.1,28 141.975,27.875 SW26.2@141.975,27.679
NetD27_2: D27.2 SW27.2 | length 12.1
  Top Layer w0.4: SW27.2@119.47,29.3 119.623,29.147 119.623,28.093 120.78,26.936 120.78,26.62 SW27.2@120.74,26.66 ; SW27.2@120.74,26.76 SW27.2@120.74,26.66 ; D27.2 SW27.2@120.74,26.66
  Bottom Layer w0.4: SW27.2@119.623,29.453 119.776,29.3 119.776,28.246 120.933,27.09 SW27.2@120.933,26.773
NetD28_2: D28.2 SW28.2 | length 12.1
  Top Layer w0.4: SW28.2@100.45,31.57 100.603,31.417 100.603,30.363 101.76,29.206 SW28.2@101.76,28.89 ; SW28.2@101.72,29.03 101.72,28.93 SW28.2@101.76,28.89 ; D28.2 SW28.2@101.76,28.89
  Bottom Layer w0.4: SW28.2@100.623,31.703 100.776,31.55 100.776,30.496 101.933,29.34 SW28.2@101.933,29.023
NetD29_2: D29.2 SW29.2 | length 12.1
  Top Layer w0.4: SW29.2@81.35,31.57 81.503,31.417 81.503,30.363 82.66,29.206 SW29.2@82.66,28.89 ; SW29.2@82.62,29.03 82.62,28.93 SW29.2@82.66,28.89 ; D29.2 SW29.2@82.66,28.89
  Bottom Layer w0.4: SW29.2@81.523,31.703 81.676,31.55 81.676,30.496 82.833,29.34 SW29.2@82.833,29.023
NetP1_4: P1.4 U1.2 | length 51.4
  Top Layer w0.4: U1.2 138.19,105.29 150.31,105.29 151.2,106.18 151.2,110.948 152.402,112.15 160.08,112.15 161.069,111.161 161.069,103.789 159.7,102.42 157.97,102.42 156.8,101.25 156.8,101 156.896,100.904 156.896,99.454 157.818,98.532 161.382,98.532 162.459,99.609 162.459,100.959 P1.4@162.5,101
NetSW30_2: SW30.2 U1.22 | length 23.4
  Top Layer w0.254: U1.22 U1.22@154,102.66 ; U1.22@154.019,102.499 154.019,102.235 155.444,100.81 155.444,93.306 156.25,92.5 160.45,92.5 161.1,91.85 SW30.2
ROW0: D1.1 D2.1 D3.1 D4.1 D5.1 D6.1 U1.8 | length 118.8
  Top Layer w0.4: D6.1 40.81,93.9 58.29,93.9 D5.1 73.91,92.66 79.162,97.912 80.06,98.81 D3.1 99.06,97.42 D2.1 119.2,99.85 119.2,106.41 122,109.21 122,109.6 D1.1
  Bottom Layer w0.4: D2.1 118.29,95.9 129.65,95.9 135.59,89.96 U1.8
ROW1: D7.1 D8.1 D9.1 D10.1 D11.1 D12.1 U1.9 | length 124.6
  Top Layer w0.4: D12.1 42.094,73.744 59.546,73.744 D11.1 59.919,74.109 59.919,74.119 64.224,78.424 78.666,78.424 D10.1 79.974,79.724 97.666,79.724 98.039,79.351 98.039,79.349 99.064,78.324 116.766,78.324 D8.1 119.2,80.75 119.2,87.31 D7.1
  Bottom Layer w0.4: D8.1 118.39,76.7 130,76.7 133.35,80.05 133.35,86.469 134.301,87.42 U1.9
ROW2: D13.1 D14.1 D15.1 D16.1 D17.1 D18.1 U1.10 | length 141.5
  Top Layer w0.4: D18.1 40.73,54.55 59.54,54.55 D17.1 64.37,59.32 D16.1 79.97,60.62 D15.1 115.47,60.62 D14.1 119.76,56.33 D13.1@136.166,56.33
  Bottom Layer w0.4: D14.1 116.77,61.72 118.25,63.2 118.25,72.95 121.2,75.9 130.331,75.9 134.15,79.719 134.15,84.25 134.8,84.9 138.08,84.9 U1.10
ROW3: D19.1 D20.1 D21.1 D22.1 D23.1 D24.1 U1.11 | length 159.1
  Top Layer w0.4: D24.1 58.07,34.02 D23.1 59.8,35.75 59.8,35.9 64.14,40.24 D22.1 96.29,40.24 D21.1 97.82,41.62 97.9,41.7 97.98,41.62 115.37,41.62 D20.1 116.77,40.03 116.8,40 116.99,40 119.07,37.92 D19.1
  Bottom Layer w0.4: D20.1 116.77,44.52 120.6,48.35 120.6,58.325 119.1,59.825 119.1,72.669 121.531,75.1 130.663,75.1 134.95,79.387 134.95,81.496 135.794,82.34 U1.11
ROW4: D25.1 D26.1 D27.1 D28.1 D29.1 U1.12 | length 150.3
  Top Layer w0.4: D29.1 88.2,21.3 107.24,21.3 D28.1 109.5,19.04 D27.1 126.613,18.677 126.648,18.642 139.153,11.129 ccw(c139.661,12.47) 139.196,11.114 ccw(c139.661,12.47) 140.727,11.512 ; U1.12 138.1,75.627 139.137,74.59 155.176,74.59 157.3,72.466 157.3,58.15 159.796,55.654 159.796,55.271 158.9,49 158.365,48.465 155.895,48.465 D25.1 154.949,47.061 154.949,38.312 cw(c154.55,38.292) 154.941,38.209 ; 154.941,38.208 154.059,34.09 cw(c153.667,34.174) 154.034,34.013 151.579,28.426 D26.1 151.159,27.759 141.006,11.946 ; 140.727,11.512 ccw(c139.533,12.585) 141.006,11.946 ; 140.727,11.512 140.753,11.552 140.866,11.728 141.006,11.946
  Bottom Layer w0.4: D26.1@151.15,28 151.219,28.069 D26.1
VCC: P1.2 U1.21 | length 23.3
  Bottom Layer w1: U1.21 153.498,100.216 151.994,100.216 150.844,101.366 150.844,108.283 152.09,109.529 154.662,109.529 156.291,107.9 156.415,107.9 156.8,107.515 156.8,107.4 156.836,107.436 162.464,107.436 P1.2@162.5,107.4
pads on no net: P1.1 P1.5 SW1.0 SW2.0 SW3.0 SW4.0 SW5.0 SW6.0 SW7.0 SW8.0 SW9.0 SW10.0 SW11.0 SW12.0 SW13.0 SW14.0 SW15.0 SW16.0 SW17.0 SW18.0 SW19.0 SW20.0 SW21.0 SW22.0 SW23.0 SW24.0 SW25.0 SW26.0 SW27.0 SW28.0 SW29.0 U1.1 U1.5 U1.6 U1.7 U1.19 U1.20 U1.24

## Polygon pours and split planes (outlines as drawn)
GND on Top Layer "GND_L01_P000" (solid, remove dead copper, pour order 0): 21.787,30.112 21.787,104.787 cw(c24.093,104.785) 23.914,107.085 39.426,109.975 43.376,110.725 54.03,112.426 65.342,113.128 162.966,113.133 cw(c162.966,111.993) 164.105,111.993 163.527,74.099 163.527,62.3 163.475,55.699 cw(c163.343,55.7) 163.474,55.685 ccw(c163.343,55.7) 163.475,55.699 163.474,55.685 162.527,47.186 cw(c162.4,47.2) 162.524,47.171 161.074,40.921 cw(c160.95,40.95) 161.068,40.902 154.904,25.631 cw(c154.786,25.678) 154.893,25.609 143.515,7.904 cw(c142.517,8.453) 141.827,7.546 129.804,14.373 70.33,14.373 cw(c70.331,15.934) 68.769,15.934 68.773,25.686 ccw(c65.474,25.686) 65.474,28.984 22.941,28.973 cw(c22.926,29.1) 22.926,28.973 cw(c22.926,30.112)
GND on Bottom Layer "GND_L02_P001" (solid, remove dead copper, pour order 1): 21.787,30.112 21.787,104.787 cw(c24.093,104.785) 23.914,107.085 39.426,109.975 43.376,110.725 54.03,112.426 65.342,113.128 162.966,113.133 cw(c162.966,111.993) 164.105,111.993 163.527,74.099 163.527,62.3 163.475,55.699 cw(c163.343,55.7) 163.474,55.685 ccw(c163.343,55.7) 163.475,55.699 163.474,55.685 162.527,47.186 cw(c162.4,47.2) 162.524,47.171 161.074,40.921 cw(c160.95,40.95) 161.068,40.902 154.904,25.631 cw(c154.786,25.678) 154.893,25.609 143.515,7.904 cw(c142.517,8.453) 141.827,7.546 129.804,14.373 70.33,14.373 cw(c70.331,15.934) 68.769,15.934 68.773,25.686 ccw(c65.474,25.686) 65.474,28.984 22.941,28.973 cw(c22.926,29.1) 22.926,28.973 cw(c22.926,30.112)

## Keep-outs
Keep-Out Layer:
  the board outline again, w0.254

## Silkscreen, mask and mechanical layers (free items; w line width, h text height)
Top Overlay:
  drawing of 43 lines, arcs and shapes, not listed
  text "Designed by Kien Nguyen" at 71.262,15.557 h4.5
Bottom Overlay:
  drawing of 8 lines, arcs and shapes, not listed
  text "Lily58ver1.0" at 147.292,106.75 h7 r90
  text "P1" at 157.35,96.25 h1
  text "SW30" at 158.5,85.8 h1 r90
  text "U1" at 138.95,76.7 h1
  text "Nguyen Trung Kien" at 158.2,68.25 h3
  text "Designed by Kien Nguyen" at 107.3,15.557 h4.5
Mechanical 1:
  lines w0.254: 167.7,6.5 167.8,6.5

## Text inside footprints (layer, text, board x,y; h text height)
U1: Top Overlay "13" at 154.947,79.152 h1; Top Overlay "Lily58ver1.0" at 147.292,81.7 h7 r90; Top Overlay "24" at 150.467,107.05 h1; Top Overlay "12" at 135.109,79.217 h1; Top Overlay "1" at 135.98,107.302 h1; Bottom Overlay "13" at 156.539,79.2 h1; Bottom Overlay "24" at 152.083,107.05 h1; Bottom Overlay "12" at 136.475,79.217 h1; Bottom Overlay "1" at 136.318,107.231 h1